# Allegro board SG2042_EVB_V2_0.brd (continued)
## Routing (per net, layer and track width the routed paths; a pad name or vN(x,y) marks a point on that pad's centre or on a via; arc(x,y) is an arc through that point) (continued)
J1104.B53 99.6,119.77 v1(99.8,119.98) ; C48.2 v1(50.16,207.09) ; U3273.W5 v1(193.88,106.83) ; U3235.Y23 v1(141.26,74.61) ; U1.J40 v1(128.75,241.05) ; U1.AD50 v1(138.75,225.05) ; C2.2 C3.2 ; C3.2 v1(183.34,155.83) ; C3.2 v1(184.56,155.83) ; U1.BM56 v1(144.75,197.05) ; U3235.B12 v1(156.46,83.41) U3235.B11 ; U3235.AF10 v1(136.47,85.01) ; U1.BG48 v1(136.75,202.05) ; U1.AR46 v1(134.75,214.05) ; U1.AA44 v1(132.75,229.05) ; U3273.P9 v1(190.68,102.83) ; U1.AB14 v1(101.75,228.05) ; U1.BM8 v1(95.75,197.05) ; U1.BD10 v1(97.75,205.05) ; U3235.M12 v1(148.46,83.41) ; U3235.E17 v1(153.26,79.41) ; U1.AT43 v1(131.75,213.05) ; U3244.2 v1(25.93,224.54) ; U1.BP3 v1(90.75,195.05) ; U1.AP54 v1(142.75,215.05) ; U1.J9 v1(96.75,241.05) ; U1.AV3 v1(90.75,211.05) ; C1535.2 v1(44.83,222.4) ; U3235.AB1 v1(139.66,92.21) ; U1.K55 v1(143.75,240.05) ; v1(48.6,83.82) J2046.A4 v1(48.6,86.54) ; U1.D12 v1(100.75,246.05) U1.C12 ; U3235.AB22 v1(140.46,74.61) ; U1.BL10 v1(97.75,198.05) ; U3235.K24 v1(150.06,73.81) ; U3235.K3 v1(150.06,89.81) ; U1.BB8 v1(95.75,207.05) ; U3235.AA24 v1(140.46,73.01) ; v1(74.8,83.82) 74.6,84.03 J2046.A28 74.6,86.1 v1(75.03,86.54) ; U1.AM45 v1(133.75,217.05) ; U1.AH45 v1(133.75,222.05) ; U1.AC9 v1(96.75,227.05) ; v1(62.6,117.26) J1104.B16 v1(62.6,119.98) ; C6251.2 v1(31.01,184.1) ; U3235.P24 v1(146.86,73.81) ; U1.L9 v1(96.75,239.05) ; U1.E35 v1(123.75,245.05) ; U3235.R11 v1(145.26,84.21) ; U1.M53 v1(141.75,238.05) ; U1.AD54 v1(142.75,225.05) ; v1(62.6,96.54) J2033.B16 v1(62.6,99.61) ; U3235.P3 v1(146.86,89.81) ; v1(64.6,79.34) J2046.B18 v1(64.6,76.62) ; U3235.Y4 141.66,89.41 v1(141.26,89.01) ; R130.1 v1(198.3,281.25) ; U1.BC52 v1(140.75,206.05) ; U1.AD1 v1(88.82,225.55) ; U3235.AD2 v1(138.06,91.41) ; U1.V49 v1(137.75,232.05) ; U1.W13 v1(100.75,231.05) ; v1(88.8,83.82) 88.6,84.03 J2046.A42 88.6,86.1 v1(89.03,86.54) ; U3235.T10 v1(144.46,85.01) ; U1.AH56 v1(144.75,221.05) ; U1.AR13 v1(100.75,214.05) ; U3235.AA7 v1(140.47,87.41) ; U1.Y43 v1(131.75,230.05) ; U1.BD47 v1(135.75,205.05) ; v1(101.8,124.46) 101.6,124.67 J1104.A55 101.6,126.74 v1(102.03,127.18) ; U1.BP10 v1(97.75,195.05) ; U1.AM48 v1(136.75,217.05) ; R128.1 v1(198.3,277.8) ; U1.BN49 v1(137.75,196.05) ; U1.BK46 v1(134.75,199.05) ; U1.AW48 v1(136.75,210.05) ; U1.BC15 v1(102.75,206.05) ; v1(64.6,55.9) J2034.B18 v1(64.6,58.97) ; U1.H7 v1(94.75,242.05) ; R30.1 v1(195.05,281.25) ; U1.AP43 v1(131.75,215.05) ; U3235.T17 v1(144.46,78.61) ; v1(85.4,119.98) 85.6,119.77 J1104.B39 85.6,117.47 v1(85.4,117.26) ; U1.D7 v1(95.75,246.05) ; C33.2 v1(174.14,203.43) ; U1.BD56 v1(144.75,205.05) ; U1.BA46 v1(134.75,208.05) ; v1(71.03,127.18) 70.6,126.74 J1104.A24 70.6,124.67 v1(70.8,124.46) ; U3235.E13 v1(153.26,82.61) ; U1.U51 v1(139.75,233.05) ; U3235.W1 v1(142.86,92.21) U3235.V1 ; C3266.2 v1(191.8,279.53) ; U3235.L3 v1(149.26,89.81) ; U1.BM6 v1(93.75,197.05) ; U1.BP46 v1(134.75,195.05) ; U3235.V3 v1(143.66,89.81) ; U3235.E26 v1(153.26,71.41) U3235.F26 ; v1(86.8,76.62) 86.6,76.83 J2046.B40 86.6,79.13 v1(86.8,79.34) ; U1.BA3 v1(90.75,208.05) ; v1(118.03,127.18) 117.6,126.74 J1104.A71 117.6,124.67 v1(117.8,124.46) ; U3273.B6 v1(193.08,92.45) ; U1.AF5 v1(92.75,223.05) ; v1(83.17,86.54) 83.6,86.1 J2046.A37 83.6,84.03 v1(83.4,83.82) ; v1(135.75,242.05) U1.H47 v1(134.75,242.05) ; U3235.L11 v1(149.26,84.21) ; U1.P45 v1(133.75,236.05) ; U1.AW46 v1(134.75,210.05) ; U3235.T15 v1(144.46,80.21) ; U1.P47 v1(135.75,236.05) ; U1.T48 v1(136.75,234.05) ; U1.AU15 v1(102.75,212.05) ; U1.BT1 v1(88.75,193.05) ; U1.AJ4 v1(91.75,220.05) ; U3273.K16 v1(184.29,98.85) ; U1.BP52 v1(140.75,195.05) ; U3273.AB11 v1(189.08,109.23) ; U1.T50 v1(138.75,234.05) ; U1.BD12 v1(99.75,205.05) ; v1(72.6,55.9) J2034.B26 v1(72.6,58.97) ; U3235.T4 v1(144.46,89.01) ; U3235.P15 v1(146.06,80.21) ; C5926.2 v1(27.99,220.12) ; U3235.D20 v1(154.06,76.21) ; v1(69.17,66.62) 69.6,66.18 J2034.A23 v1(69.6,63.55) ; U3273.H14 v1(185.89,97.25) ; U3235.P26 v1(146.86,71.41) U3235.N26 ; U1.V54 v1(141.75,231.05) U1.V53 ; U1.J48 v1(136.75,241.05) ; U1.W50 v1(138.75,231.05) ; 168.29,282.45 J2.4 169.51,282.42 ; U3235.AC8 v1(138.87,86.61) ; C1425.2 v1(194.21,221.54) ; v1(128.36,221.46) U1.AH41 U1.AG42 ; U1.AC44 v1(132.75,227.05) ; U3273.L12 v1(187.49,99.64) ; U1.BK4 v1(91.75,199.05) ; U1.T14 v1(101.75,234.05) ; v1(78.6,76.62) J2046.B32 v1(78.6,79.34) ; U3235.W3 v1(142.86,89.81) ; U1.AW4 v1(91.75,210.05) ; U1.P12 v1(99.75,236.05) ; U1.BB43 v1(131.75,207.05) ; U1.AC15 v1(102.75,227.05) ; v1(130.96,93.97) Y2001.4 v1(131.92,92.91) ; U3235.V24 v1(143.66,73.81) ; U1.AD45 v1(133.75,226.05) ; U1.C39 v1(127.75,247.05) ; C4.2 v1(183.34,152.93) ; J103.A1_B12 v1(8.3,162.48) ; U3273.L16 v1(184.29,99.64) ; v1(84.8,124.46) 84.6,124.67 J1104.A38 84.6,126.74 v1(85.03,127.18) ; U1.AC49 v1(137.75,226.05) ; U1.AP3 v1(90.75,215.05) ; U3235.F3 v1(153.26,89.81) ; U1.AE11 v1(98.75,225.05) ; U1.AF10 v1(97.75,224.05) ; J1.200 182.84,237.63 ; U3235.M2 v1(147.66,91.41) U3235.N2 ; U3235.AD9 v1(138.07,85.81) ; U3273.J16 v1(184.29,98.05) ; U1.AD9 v1(96.75,226.05) ; J2.17 168.03,270.78 ; U1.AC7 v1(94.75,226.05) ; U1.BP11 v1(98.75,195.05) ; U3235.A10 v1(157.61,84.61) ; U3235.G25 v1(151.66,72.21) U3235.H25 ; U3235.J4 v1(150.06,89.01) ; U1.BL52 v1(140.75,198.05) ; U1.A48 v1(136.25,248.98) ; U1.M4 v1(91.75,238.05) ; C3151.2 v1(40.49,226.31) ; U3273.A14 v1(185.89,91.64) ; U3273.N13 v1(186.69,102.03) ; U1.AN1 v1(88.75,216.05) ; U1.D55 v1(142.75,245.05) U1.E54 ; U1.AM10 v1(97.75,217.05) ; U1.BE15 v1(102.75,204.05) ; U1.AJ50 v1(138.75,220.05) ; U3273.B12 v1(188.28,92.45) ; U1.AA42 v1(129.25,229.55) ; U1.C54 v1(142.75,247.05) ; U1.F8 v1(95.75,244.05) ; U1.AU11 v1(98.75,212.05) ; U1.AK6 v1(93.75,219.05) ; U1.AF55 v1(143.75,223.05) ; C61.2 v1(59.39,158.8) ; U1.BN6 v1(93.75,196.05) ; U1.AP49 v1(137.75,215.05) ; v1(93.6,79.34) J2046.B47 v1(93.6,76.62) ; C80.2 v1(58.17,283.34) ; v1(92.75,248.05) U1.A4 v1(91.75,249.05) ; C32.2 v1(174.14,207.09) ; v1(74.6,66.62) J2034.A28 v1(74.6,63.55) ; U1.M10 v1(97.75,238.05) ; C31.2 v1(174.14,212.12) ; U1.F42 v1(130.75,243.05) ; v1(130.75,243.05) U1.G43 ; v1(130.75,243.05) U1.G42 ; Y1.4 v1(31.55,274.38) ; U1.AC48 v1(136.75,227.05) ; U1.BR9 v1(96.75,194.05) ; U1.AE9 v1(96.75,225.05) ; U1.BJ55 v1(143.75,200.05) ; U1.P54 v1(142.75,236.05) ; U1.M14 v1(101.75,238.05) ; U1.G11 v1(99.75,243.05) ; U3235.B2 v1(156.46,91.41) ; U3235.D22 v1(154.06,75.41) ; U1.AB12 v1(99.75,228.05) ; U1.B32 v1(120.75,248.05) ; U1.AL15 U1.AM14 v1(101.75,217.05) ; v1(58.6,124.46) J1104.A12 v1(58.6,127.18) ; U3235.AD17 v1(138.86,79.41) ; U1.E51 v1(139.75,245.05) ; U3273.J12 v1(187.49,98.85) U3273.K12 ; U1.W52 v1(140.75,231.05) ; U3235.C14 v1(154.86,81.01) ; U1.T54 v1(142.75,234.05) ; J1.202 182.84,235.93 ; U3235.G23 v1(151.66,74.61) ; U3235.N12 v1(147.66,83.41) ; U1.W42 v1(130.75,231.05) ; U1.AT14 v1(101.75,213.05) ; U1.J32 v1(120.75,241.05) ; U1.AE51 v1(139.75,224.05) ; U1.BA7 v1(94.75,208.05) ; U1.AU46 v1(134.75,212.05) ; U1.BR4 v1(91.75,194.05) ; U1.BL9 v1(96.75,198.05) ; v1(62.6,55.9) J2034.B16 v1(62.6,58.97) ; v1(92.8,83.82) 92.6,84.03 J2046.A46 92.6,86.1 v1(93.03,86.54) ; U3235.K15 v1(150.06,80.21) ; U1.AG6 v1(94.75,222.05) ; U3235.R12 v1(145.26,83.41) ; U1.B1 v1(88.82,247.55) ; v1(104.4,124.46) 104.6,124.67 J1104.A58 104.6,126.74 v1(104.17,127.18) ; v1(87.4,83.82) 87.6,84.03 J2046.A41 87.6,86.1 v1(87.17,86.54) ; U3235.E14 v1(153.26,81.81) ; C5931.2 v1(27.99,224.41) ; U1.AB47 v1(135.75,228.05) ; U1.AB10 v1(97.75,228.05) ; U1.BE51 v1(139.75,204.05) ; U1.AT50 v1(138.75,213.05) ; U1.AH9 v1(96.75,222.05) ; U3273.H16 v1(184.29,97.25) ; U1.U13 v1(100.75,233.05) ; U1.AV50 v1(138.75,211.05) ; U3273.V5 v1(193.88,106.03) ; U1.V43 v1(131.75,232.05) ; U3235.N16 v1(147.66,79.41) ; v1(80.6,124.46) J1104.A34 80.6,126.74 v1(81.03,127.18) ; U3273.P13 v1(186.69,102.83) ; U1.AV49 v1(137.75,211.05) ; U1.AU4 v1(91.75,212.05) ; U3235.P11 v1(146.06,84.21) ; R29.1 v1(195.05,277.8) ; v1(93.75,229.05) U1.Y6 v1(93.75,230.05) ; U3273.U5 v1(193.88,105.23) ; C587.1 v1(116.13,171.63) ; U3235.E24 v1(154.06,73.81) ; U1.AF45 v1(133.75,224.05) ; U1.AW11 v1(98.75,210.05) ; U3235.M16 v1(148.46,79.41) ; U1.BF8 v1(95.75,203.05) ; U3235.K9 v1(150.06,85.81) ; U1.AM47 v1(135.75,217.05) ; U1.BK7 v1(94.75,199.05) ; v1(193.34,292.71) R2539.1 C3386.1 C3385.1 v1(195.68,293.32) ; C47.2 v1(50.16,203.43) ; U1.C49 v1(137.75,247.05) U1.C50 ; U1.AN52 v1(140.75,216.05) ; U1.AD52 v1(140.75,225.05) ; U1.BR48 v1(136.75,194.05) ; U1.AT3 v1(90.75,213.05) ; C10.2 v1(183.34,224.84) ; U1.AN15 v1(102.75,216.05) ; U1.AA13 v1(100.75,229.05) ; U1.K10 v1(97.75,240.05) ; U3273.W11 v1(189.08,106.83) ; U3235.AA26 v1(140.46,71.41) ; U3243.2 v1(25.93,220.24) ; C49.2 v1(50.16,210.69) ; U3235.K14 v1(150.06,81.01) ; v1(121.8,124.46) 121.6,124.67 J1104.A75 121.6,126.74 v1(122.03,127.18) ; v1(70.6,104.19) J2033.A24 70.6,106.82 v1(71.03,107.26) ; U1.C13 v1(100.75,247.05) ; U1.M12 v1(99.75,238.05) ; U1.AG56 v1(144.75,222.05) ; C68.2 v1(58.17,207.09) ; U1.U46 v1(134.75,233.05) ; v1(78.6,99.61) J2033.B32 v1(78.6,96.54) ; U1.N44 v1(132.75,237.05) ; U1.H42 v1(130.75,241.05) U1.J42 ; U1.D50 v1(137.75,246.05) ; U1.BG1 v1(88.75,202.05) ; U3235.AA5 v1(140.46,89.01) ; U3273.N16 v1(184.29,101.23) ; X9.2 v1(194.45,116.59) ; U1.E29 v1(117.75,245.05) ; U3235.D16 v1(154.06,80.21) ; C28.2 v1(175.31,233.38) ; U1.AJ7 v1(94.75,220.05) ; U3273.R22 v1(179.49,103.63) ; v1(51.6,35.58) J2036.B7 v1(51.6,38.65) ; U1.F5 v1(92.75,244.05) U1.F4 ; U3235.AC25 v1(139.66,72.21) ; U1.AD56 v1(144.68,225.55) ; v1(81.4,117.26) 81.6,117.47 J1104.B35 81.6,119.77 v1(81.4,119.98) ; v1(135.75,246.05) U1.C47 v1(135.75,247.05) ; v1(77.6,104.19) J2033.A31 77.6,106.82 v1(77.17,107.26) ; v1(74.8,124.46) 74.6,124.67 J1104.A28 74.6,126.74 v1(75.03,127.18) ; U3235.L13 v1(149.26,82.61) ; U1.AM8 v1(95.75,217.05) ; U1.AG13 v1(100.75,223.05) ; U3235.N11 v1(147.66,84.21) ; U3235.AB10 v1(139.67,85.01) ; U1.AH50 v1(138.75,221.05) ; U1.AY5 v1(92.75,209.05) ; U1.AN11 v1(98.75,216.05) ; C3155.2 v1(41.15,220.78) ; U1.BF12 v1(99.75,203.05) ; U1.J43 v1(131.75,241.05) ; U1.Y10 v1(97.75,230.05) ; v1(75.6,99.61) J2033.B29 v1(75.6,96.54) ; U1.BA50 v1(138.75,208.05) ; U1.T9 v1(96.75,234.05) ; U1.M43 v1(131.75,238.05) ; U1.BD49 v1(137.75,205.05) ; v1(91.4,124.46) 91.6,124.67 J1104.A45 91.6,126.74 v1(91.17,127.18) ; C40.2 v1(175.31,283.34) ; U1.BG9 v1(96.75,202.05) ; U1.F49 v1(137.75,244.05) ; U3235.A4 v1(157.26,89.01) ; v1(72.8,79.34) 72.6,79.13 J2046.B26 72.6,76.83 v1(72.8,76.62) ; U3235.AD5 v1(138.06,89.01) ; v1(59.8,119.98) 59.6,119.77 J1104.B13 59.6,117.47 v1(59.8,117.26) ; U1.J24 v1(111.75,241.05) ; U1.C42 v1(130.75,247.05) U1.B42 ; U1.AH12 v1(99.75,222.05) ; U1.AP10 v1(97.75,215.05) ; U1.U2 v1(89.75,233.05) ; U1.AD7 v1(94.75,225.05) ; U3257.2 v1(25.93,206.63) ; U3235.A14 v1(157.26,81.81) U3235.A13 ; U1.C27 v1(114.75,247.05) ; U1.BL11 v1(98.75,198.05) ; v1(110.03,127.18) 109.6,126.74 J1104.A63 109.6,124.67 v1(109.8,124.46) ; U3235.N14 v1(147.66,81.01) ; U3235.C10 v1(154.86,84.21) ; U1.BK10 v1(97.75,199.05) ; J4.257 64.03,184.63 ; U1.BL56 v1(144.75,198.05) ; v1(100.4,124.46) 100.6,124.67 J1104.A54 100.6,126.74 v1(100.17,127.18) ; U1.Y1 v1(88.82,229.55) ; U1.BB45 v1(133.75,207.05) ; U1.AG1 v1(88.75,222.05) ; U1.J50 v1(138.75,241.05) ; U1.BJ46 v1(134.75,200.05) ; v1(66.6,104.19) J2033.A20 66.6,106.82 v1(67.03,107.26) ; v1(95.8,117.26) 95.6,117.47 J1104.B49 95.6,119.77 v1(95.8,119.98) ; U1.BL50 v1(138.75,198.05) ; U1.AE1 v1(88.82,224.55) ; R169.1 v1(191.8,277.8) ; v1(68.6,58.97) J2034.B22 v1(68.6,55.9) ; v1(75.6,55.9) J2034.B29 v1(75.6,58.97) ; U3235.G1 v1(152.46,92.21) U3235.F1 ; U1.BF45 v1(133.75,203.05) ; U1.AB55 v1(142.75,228.05) ; U1.M45 v1(133.75,238.05) ; U1.BD1 v1(88.75,205.05) ; U1.AV47 v1(135.75,211.05) ; U1.U44 v1(132.75,233.05) ; U3235.H2 v1(150.86,91.41) U3235.J2 ; U3273.L11 v1(188.29,99.64) ; U1.E17 v1(104.75,245.05) ; U1.T43 v1(131.75,234.05) ; C37.2 v1(175.51,216.64) ; U1.AC4 v1(91.75,226.05) ; U3235.A26 v1(157.26,71.41) ; U1.BB14 v1(101.75,207.05) ; U1.K14 v1(101.75,240.05) ; U3273.R12 v1(187.49,103.63) ; U3235.AC15 v1(139.66,80.21) ; U3273.P19 v1(181.89,102.83) ; U3235.AC4 v1(138.86,89.81) ; U1.AD10 v1(97.75,226.05) ; U3235.L12 v1(149.26,83.41) ; U1.BJ10 v1(97.75,200.05) ; C71.2 v1(59.39,228.3) ; C6101.2 v1(227.97,143.97) ; U1.P43 v1(131.75,236.05) ; U3273.AA17 v1(183.49,108.43) ; U1.T12 v1(99.75,234.05) ; C41.2 v1(49.99,158.8) ; U1.BF47 v1(135.75,203.05) ; U1.AD48 v1(136.75,226.05) ; U1.BP7 v1(94.75,195.05) ; U3235.AE24 v1(138.06,73.81) ; U1.AR48 v1(136.75,214.05) ; U1.AL44 v1(132.75,218.05) ; v1(82.8,79.34) 82.6,79.13 J2046.B36 82.6,76.83 v1(82.8,76.62) ; U1.AF54 v1(142.75,223.05) ; v1(68.8,99.61) 68.6,99.4 J2033.B22 68.6,96.75 v1(68.8,96.54) ; U1.BJ11 v1(98.75,200.05) ; U1.K49 v1(137.75,240.05) ; U1.AF51 v1(139.75,223.05) ; U1.AY52 v1(140.75,209.05) ; C64.2 v1(59.39,152.93) ; U1.AF4 v1(91.75,223.05) ; U3235.T13 v1(144.46,82.61) ; C1537.2 v1(44.83,220.68) ; C51.2 v1(50.16,227.48) ; U1.AK51 v1(139.75,219.05) ; v1(66.6,83.82) J2046.A20 66.6,86.1 v1(67.03,86.54) ; U1.AJ54 v1(142.75,220.05) ; U3235.R3 v1(146.06,89.81) ; U1.AG4 v1(91.75,222.05) ; U1.T7 v1(94.75,234.05) ; U1.AE56 v1(144.68,224.55) ; U1.J28 v1(115.75,241.05) ; U1.N46 v1(134.75,237.05) ; U1.B11 v1(98.75,247.05) ; U3235.N10 v1(147.66,85.01) ; U1.AJ53 v1(141.75,220.05) ; U3235.A20 v1(157.26,76.21) ; U1.E11 v1(99.75,245.05) ; U3235.R23 v1(145.26,74.61) ; U1.BH11 v1(98.75,201.05) ; U1.AV54 v1(142.75,211.05) ; U1.BM48 v1(136.75,197.05) ; U1.W9 v1(96.75,231.05) ; U3235.D12 v1(154.06,83.41) ; U1.L11 v1(98.75,239.05) ; U1.AP4 v1(91.75,215.05) ; U1.BH50 v1(138.75,201.05) ; U1.AD14 v1(101.75,226.05) ; U3235.AE2 v1(137.26,91.41) ; Q2036.2 v1(41.93,141) ; U1.AL50 v1(138.75,218.05) ; U3235.M11 v1(148.46,84.21) ; U1.BB56 v1(144.75,207.05) ; U1.AC8 v1(95.75,226.05) ; U3273.T14 v1(185.89,104.43) ; U3235.D11 v1(154.06,84.21) ; U3235.B21 v1(156.46,75.41) ; U3273.B2 v1(196.28,92.45) ; U1.E46 v1(133.75,245.05) ; C11.2 v1(183.34,210.69) ; C17.2 v1(183.36,216.64) ; C21.2 v1(175.31,158.8) ; U1.AM53 v1(141.75,217.05) ; U1.G22 v1(109.75,243.05) ; U1.AG51 v1(138.75,222.05) ; U1.G46 v1(133.75,243.05) ; U1.AC42 v1(130.75,227.05) ; U3273.N8 v1(191.48,102.03) ; U1.G7 v1(94.75,243.05) ; v1(97.75,244.05) U1.F10 v1(98.75,244.05) ; C3154.2 v1(190.53,220.78) ; U1.G40 v1(128.75,243.05) ; U1.BK49 v1(137.75,199.05) ; U1.R42 v1(130.75,235.05) ; U1.AU56 v1(144.75,212.05) ; U1.BG46 v1(134.75,202.05) ; U1.BJ47 v1(135.75,200.05) ; U1.C53 v1(141.75,247.05) ; U3235.R13 v1(145.26,82.61) ; U1.AN13 v1(100.75,216.05) ; v1(62.6,76.62) J2046.B16 v1(62.6,79.34) ; U1.AW13 v1(100.75,210.05) ; U1.AL13 v1(100.75,218.05) ; U3256.2 v1(25.93,202.34) ; U1.AC3 v1(90.75,226.05) ; U3235.A18 v1(157.26,78.61) U3235.A17 ; U3273.A22 v1(179.49,91.64) ; U3273.H15 v1(185.09,97.25) ; U1.W54 v1(142.75,231.05) ; U1.AP14 v1(101.75,215.05) ; U3235.L14 v1(149.26,81.01) ; U1.H50 v1(138.75,242.05) ; U1.C30 v1(118.75,247.05) ; U3235.P13 v1(146.06,82.61) ; U1.AY12 v1(99.75,209.05) ; U3235.N17 v1(147.66,78.61) ; U3235.AE19 v1(137.26,77.01) U3235.AE20 ; U1.BP47 v1(135.75,195.05) ; U1.AB45 v1(133.75,228.05) ; U1.A1 v1(88.82,248.55) ; U1.AW9 v1(96.75,210.05) ; J2.57 168.09,236.77 ; U1.AH1 v1(88.75,221.05) ; U1.W3 v1(90.75,231.05) ; U1.BG45 v1(133.75,202.05) ; U3273.B4 v1(194.68,92.45) ; U1.R44 v1(132.75,235.05) ; U1.AR2 v1(89.75,214.05) ; v1(58.6,86.54) J2046.A12 v1(58.6,83.82) ; U3235.F24 v1(153.26,73.81) ; U1.BM10 v1(97.75,197.05) ; U1.AE8 v1(95.75,224.05) ; U1.AB48 v1(136.75,228.05) ; U3235.T9 v1(144.46,85.81) ; U3235.AA4 v1(140.46,89.81) ; R170.1 v1(191.8,281.25) ; v1(62.03,86.54) 61.6,86.1 J2046.A15 v1(61.6,83.82) ; U1.R13 v1(100.75,235.05) ; U1.AR6 v1(93.75,214.05) ; U1.AG44 v1(132.75,223.05) ; U3273.W6 v1(193.08,106.83) ; U1.BN51 v1(139.75,196.05) ; U1.B51 v1(139.75,247.05) ; U1.AK10 v1(97.75,219.05) ; U1.BR11 v1(98.75,194.05) ; U3235.L1 v1(149.26,92.21) U3235.K1 ; U1.AN46 v1(134.75,216.05) ; U1.BA42 v1(130.75,208.05) ; U1.W7 v1(94.75,231.05) ; U1.BJ2 v1(89.75,200.05) ; U3235.V26 v1(143.66,71.41) U3235.U26 ; U1.AR55 v1(143.75,214.05) ; R171.1 v1(198.3,279.53) ; U1.AH14 v1(101.75,222.05) ; U3235.D23 v1(154.06,74.61) ; U1.AR11 v1(98.75,214.05) ; U1.AV10 v1(97.75,211.05) ; Y2001.2 v1(133.62,97.23) ; J1.198 182.84,239.33 ; U1.BG4 v1(91.75,202.05) ; U1.N11 v1(98.75,237.05) ; v1(112.87,260.48) X1.2 v1(111.89,261.54) ; U3235.AF18 v1(136.46,78.61) U3235.AF17 ; U3235.AC6 v1(138.86,88.21) ; U1.G37 v1(125.75,243.05) ; v1(48.6,79.34) J2046.B4 v1(48.6,76.62) ; U1.BM49 v1(137.75,197.05) ; U1.F1 v1(88.82,243.55) ; U1.H12 v1(100.75,242.05) ; C3152.2 v1(189.87,226.31) ; R168.1 v1(188.54,281.25) ; U1.A43 v1(131.25,248.98) ; J4.250 65.44,190.03 ; C29.2 v1(175.31,228.3) ; U1.AN54 v1(142.75,216.05) ; U1.AE44 v1(132.75,225.05) ; U1.U55 v1(143.75,233.05) ; U3235.AE1 v1(137.26,92.21) ; U3235.H4 v1(150.86,89.01) ; U1.N15 v1(102.75,237.05) ; U3273.K11 v1(188.29,98.85) ; U1.AF52 v1(140.75,223.05) ; U1.AW42 v1(130.75,210.05) ; U1.W46 v1(134.75,231.05) ; U3273.R21 v1(180.29,103.63) ; U1.V7 v1(94.75,232.05) ; U1.AA9 v1(96.75,229.05) ; U3273.A18 v1(183.49,91.64) ; U1.AU52 v1(140.75,212.05) ; U1.L42 v1(130.75,239.05) ; U3235.B25 v1(156.46,72.21) ; U1.AA11 v1(98.75,229.05) ; U1.R8 v1(95.75,235.05) ; U1.AM9 v1(96.75,217.05) ; U1.BC11 v1(98.75,206.05) ; U1.BB47 v1(135.75,207.05) ; U3273.W12 v1(188.28,106.83) ; U1.BM53 v1(141.75,197.05) ; U3235.L23 v1(148.46,74.61) ; C50.2 v1(50.16,224.84) ; U1.W48 v1(136.75,231.05) ; v1(105.8,124.46) 105.6,124.67 J1104.A59 105.6,126.74 v1(106.03,127.18) ; U3273.M11 v1(189.08,101.23) ; U3235.A24 v1(157.26,73.01) ; U1.L48 v1(136.75,239.05) ; U1.AD47 v1(135.75,226.05) ; U1.AV7 v1(94.75,211.05) ; U1.F44 v1(131.75,244.05) ; U1.U42 v1(130.75,233.05) ; U1.AN9 v1(96.75,216.05) ; U3235.R17 v1(145.26,78.61) ; U3235.L15 v1(149.26,80.21) ; U1.AU53 v1(141.75,212.05) ; U1.BP5 v1(92.75,195.05) ; U3235.K12 v1(150.06,83.41) ; U3235.K13 v1(150.06,82.61) ; U1.AL7 v1(94.75,218.05) ; U1.AH7 v1(94.75,221.05) ; U3273.L8 v1(191.48,99.64) ; U1.AV14 v1(101.75,211.05) ; U1.C18 v1(105.75,247.05) ; U3273.AC6 v1(193.08,110.03) ; U1.AF6 v1(93.75,223.05) ; v1(136.75,243.05) U1.G48 v1(135.75,243.05) ; U1.AD12 v1(99.75,226.05) ; U1.R5 v1(92.75,235.05) ; U1.L15 v1(102.75,239.05) ; U1.AE46 v1(134.75,225.05) ; U1.AB9 v1(96.75,228.05) ; U1.AL48 v1(136.75,218.05) ; U1.AC13 v1(100.75,227.05) ; U3273.N9 v1(190.68,102.03) ; U1.C21 v1(108.75,247.05) ; U1.BL48 v1(136.75,198.05) ; X8.2 v1(199.15,85.65) ; U1.AF53 v1(141.75,223.05) ; U1.R56 v1(144.75,235.05) ; U1.AT7 v1(94.75,213.05) ; C16.2 v1(183.36,220.93) ; U1.AW54 v1(142.75,210.05) ; U1.BM46 v1(134.75,197.05) ; U3235.B3 v1(156.46,90.61) ; U3273.R13 v1(186.69,103.63) ; C70.2 v1(59.39,224.84) ; U1.R46 v1(134.75,235.05) ; U1.BL54 v1(142.75,198.05) ; U3235.D15 v1(154.06,81.01) ; U1.B6 v1(93.75,247.05) ; U1.BM1 v1(88.75,197.05) ; U1.G45 v1(132.75,243.05) ; U3273.J13 v1(186.69,98.05) ; U1.AR42 v1(130.75,214.05) ; C24.2 v1(175.31,152.93) ; U3235.AC19 v1(139.66,77.01) ; U1.BG50 v1(138.75,202.05) ; R129.1 v1(195.05,279.53) ; U1.J36 v1(124.75,241.05) ; U1.T3 v1(90.75,234.05) ; U1.AA54 v1(142.75,229.05) ; U3273.C13 v1(186.69,93.25) ; U3261.2 v1(228.09,146.02) ; U1.BE6 v1(93.75,204.05) ; U3235.L16 v1(149.26,79.41) ; U1.BE9 v1(96.75,204.05) ; U3273.R16 v1(184.29,103.63) ; U3235.L17 v1(149.26,78.61) ; U1.F56 v1(144.68,243.55) ; J2.6 169.46,279.58 ; U1.BP50 v1(138.75,195.05) ; U1.G34 v1(122.75,243.05) ; U1.M7 v1(94.75,238.05) ; U3235.AC20 v1(139.66,76.21) ; U3235.U4 v1(143.66,89.01) ; U3273.K13 v1(186.69,98.85) ; U1.BK47 v1(135.75,199.05) ; U3273.A6 v1(193.08,91.64) ; U1.P8 v1(95.75,236.05) ; U1.M47 v1(135.75,238.05) ; U1.V45 v1(133.75,232.05) ; U1.AW3 v1(90.75,210.05) ; U3235.K10 v1(150.06,85.01) ; U1.BB48 v1(136.75,207.05) ; U1.BN8 v1(95.75,196.05) ; U1.BE46 v1(134.75,204.05) ; U1.BC5 v1(92.75,206.05) ; U1.AV8 v1(95.75,211.05) ; U3235.P12 v1(146.06,83.41) ; U3235.AE23 v1(137.26,73.81) ; U3235.M15 v1(148.46,80.21) ; C6123.1 v1(37.97,204.01) ; U1.BN56 v1(144.75,196.05) ; U1.BP55 v1(143.75,195.05) ; v1(51.6,76.62) J2046.B7 v1(51.6,79.34) ; U1.BL5 v1(92.75,198.05) ; J103.B1_A12 v1(8.3,156.08) ; U1.AK47 v1(135.75,219.05) ; U3235.T14 v1(144.46,81.01) ; C9.2 v1(183.34,228.3) ; U1.G19 v1(106.75,243.05) ; U1.BD45 v1(133.75,205.05) ; U1.BE44 v1(132.75,204.05) ; U1.AG48 v1(136.75,223.05) ; U1.AE49 v1(137.75,224.05) ; U1.H45 v1(132.75,242.05) ; U1.W11 v1(98.75,231.05) ; U1.F13 v1(101.75,244.05) ; U3273.T5 v1(193.88,104.43) ; J2.239 171.84,199.38 ; U1.E26 v1(113.75,245.05) ; U3235.K16 v1(150.06,79.41) ; U1.P51 v1(139.75,236.05) ; U1.W1 v1(88.82,230.55) ; U1.AV12 v1(99.75,211.05) ; U1.BE54 v1(142.75,204.05) ; U3273.AB17 v1(183.49,109.23) ; U3235.G3 v1(152.46,89.81) ; U3235.T12 v1(144.46,83.41) ; U3235.R16 v1(145.26,79.41)
  TOP w0.457: 69.4,282.74 75.58,282.74 103.67,254.65 103.67,249.4 ; v1(166.12,284.63) 159.81,284.63 129.83,254.65 129.83,249.4
  TOP w0.508: C272.1 GND0V8.1
  GND02 w0.254: 50.73,172.18 J3.127 ; J3.127 51.39,171.51 ; J3.127 51.39,172.84 ; J3.127 52.05,172.18 ; J2.55 167.97,238.48 ; J2.55 167.31,237.81 ; J2.55 166.65,238.48 ; J2.55 167.31,239.14 ; 62.39,180.86 J4.116 ; J4.116 63.05,181.53 ; J4.116 62.39,182.19 ; J4.116 61.73,181.53 ; J3.180 57.45,254.63 ; J3.180 56.79,255.29 ; J3.180 56.79,253.96 ; J3.180 56.13,254.63 ; 62.39,163.86 J4.136 ; J4.136 63.05,164.53 ; J4.136 61.73,164.53 ; J4.136 62.39,165.19 ; 60.13,189.18 J4.107 ; J4.107 60.79,188.51 ; J4.107 61.45,189.18 ; J4.107 60.79,189.84 ; J2.160 173.37,271.63 ; J2.160 172.05,271.63 ; J2.160 172.71,272.29 ; J2.160 172.71,270.96 ; J1.107 176.71,189.84 ; J1.107 176.71,188.51 ; J1.107 176.05,189.18 ; J1.107 177.37,189.18 ; J4.178 66.19,256.99 ; J4.178 65.53,256.33 ; J4.178 66.19,255.66 ; J4.178 66.85,256.33 ; 179.85,263.98 J1.169 ; J1.169 180.51,263.31 ; J1.169 181.17,263.98 ; J1.169 180.51,264.64 ; 177.65,268.23 J1.20 ; J1.20 178.31,268.89 ; J1.20 178.31,267.56 ; J1.20 178.97,268.23 ; 56.13,173.03 J3.270 ; J3.270 56.79,173.69 ; J3.270 57.45,173.03 ; J3.270 56.79,172.36 ; 52.33,200.23 J3.94 ; J3.94 52.99,200.89 ; J3.94 53.65,200.23 ; J3.94 52.99,199.56 ; 63.93,243.58 J4.193 ; J4.193 65.25,243.58 ; J4.193 64.59,242.91 ; J4.193 64.59,244.24 ; J3.138 53.65,162.83 ; J3.138 52.99,162.16 ; J3.138 52.99,163.49 ; J3.138 52.33,162.83 ; J4.167 65.25,265.68 ; J4.167 63.93,265.68 ; J4.167 64.59,265.01 ; J4.167 64.59,266.34 ; J4.28 62.39,262.09 ; J4.28 61.73,261.43 ; J4.28 63.05,261.43 ; J4.28 62.39,260.76 ; J3.158 57.45,273.33 ; J3.158 56.79,272.66 ; J3.158 56.79,273.99 ; J3.158 56.13,273.33 ; 65.53,239.33 J4.198 ; J4.198 66.19,239.99 ; J4.198 66.85,239.33 ; J4.198 66.19,238.66 ; J4.252 66.85,188.32 ; J4.252 66.19,187.66 ; J4.252 65.53,188.32 ; J4.252 66.19,188.99 ; 64.59,278.61 J4.151 ; J4.151 64.59,279.94 ; J4.151 63.93,279.28 ; J4.151 65.25,279.28 ; 167.31,191.91 J2.103 ; J2.103 166.65,192.58 ; J2.103 167.31,193.24 ; J2.103 167.97,192.58 ; J4.31 60.79,259.54 ; J4.31 60.79,258.21 ; J4.31 60.13,258.88 ; J4.31 61.45,258.88 ; J4.46 63.05,246.12 ; J4.46 62.39,246.79 ; J4.46 62.39,245.46 ; J4.46 61.73,246.12 ; 54.53,265.68 J3.167 ; J3.167 55.85,265.68 ; J3.167 55.19,266.34 ; J3.167 55.19,265.01 ; J3.160 56.79,272.29 ; J3.160 56.79,270.96 ; J3.160 57.45,271.63 ; J3.160 56.13,271.63 ; J1.131 176.71,169.44 ; J1.131 177.37,168.78 ; J1.131 176.71,168.11 ; J1.131 176.05,168.78 ; J2.123 167.31,176.24 ; J2.123 167.97,175.58 ; J2.123 167.31,174.91 ; J2.123 166.65,175.58 ; J4.169 64.59,264.64 ; J4.169 65.25,263.98 ; J4.169 64.59,263.31 ; J4.169 63.93,263.98 ; J1.261 181.17,180.68 ; J1.261 180.51,181.34 ; J1.261 179.85,180.68 ; J1.261 180.51,180.01 ; J1.6 178.31,280.79 ; J1.6 178.97,280.13 ; J1.6 177.65,280.13 ; J1.6 178.31,279.46 ; J1.15 177.37,272.48 ; J1.15 176.05,272.48 ; J1.15 176.71,271.81 ; J1.15 176.71,273.14 ; 50.73,255.47 J3.35 ; J3.35 52.05,255.47 ; J3.35 51.39,254.81 ; J3.35 51.39,256.14 ; J4.48 62.39,245.09 ; J4.48 62.39,243.76 ; J4.48 63.05,244.43 ; J4.48 61.73,244.43 ; 177.65,266.52 J1.22 ; J1.22 178.31,265.86 ; J1.22 178.31,267.19 ; J1.22 178.97,266.52 ; J4.9 60.79,278.24 ; J4.9 61.45,277.58 ; J4.9 60.79,276.91 ; J4.9 60.13,277.58 ; J1.263 180.51,179.64 ; J1.263 181.17,178.98 ; J1.263 180.51,178.31 ; J1.263 179.85,178.98 ; J3.96 53.65,198.53 ; J3.96 52.33,198.53 ; J3.96 52.99,199.19 ; J3.96 52.99,197.86 ; J4.279 64.59,166.04 ; J4.279 65.25,165.38 ; J4.279 64.59,164.71 ; J4.279 63.93,165.38 ; 182.11,187.66 J1.252 ; J1.252 182.11,188.99 ; J1.252 182.77,188.32 ; J1.252 181.45,188.32 ; J4.105 61.45,190.88 ; J4.105 60.79,191.54 ; J4.105 60.13,190.88 ; J4.105 60.79,190.21 ; 56.13,191.73 J3.248 ; J3.248 56.79,191.06 ; J3.248 57.45,191.73 ; J3.248 56.79,192.39 ; J2.250 173.37,190.03 ; J2.250 172.71,189.36 ; J2.250 172.71,190.69 ; J2.250 172.05,190.03 ; 62.39,197.86 J4.96 ; J4.96 61.73,198.53 ; J4.96 63.05,198.53 ; J4.96 62.39,199.19 ; J3.39 52.05,252.08 ; J3.39 51.39,252.74 ; J3.39 51.39,251.41 ; J3.39 50.73,252.08 ; J1.26 178.31,263.79 ; J1.26 178.31,262.46 ; J1.26 178.97,263.13 ; J1.26 177.65,263.13 ; J1.33 176.71,257.84 ; J1.33 177.37,257.18 ; J1.33 176.71,256.51 ; J1.33 176.05,257.18 ; 172.05,186.63 J2.254 ; J2.254 172.71,185.96 ; J2.254 172.71,187.29 ; J2.254 173.37,186.63 ; J3.26 52.99,263.79 ; J3.26 53.65,263.13 ; J3.26 52.33,263.13 ; J3.26 52.99,262.46 ; 182.11,274.36 J1.156 ; J1.156 181.45,275.03 ; J1.156 182.77,275.03 ; J1.156 182.11,275.69 ; 61.73,242.73 J4.50 ; J4.50 63.05,242.73 ; J4.50 62.39,243.39 ; J4.50 62.39,242.06 ; 61.73,268.23 J4.20 ; J4.20 62.39,267.56 ; J4.20 62.39,268.89 ; J4.20 63.05,268.23 ; 178.31,163.86 J1.136 ; J1.136 178.31,165.19 ; J1.136 178.97,164.53 ; J1.136 177.65,164.53 ; 63.93,262.28 J4.171 ; J4.171 65.25,262.28 ; J4.171 64.59,261.61 ; J4.171 64.59,262.94 ; 60.13,238.48 J4.55 ; J4.55 61.45,238.48 ; J4.55 60.79,239.14 ; J4.55 60.79,237.81 ; J3.171 55.85,262.28 ; J3.171 55.19,262.94 ; J3.171 54.53,262.28 ; J3.171 55.19,261.61 ; 178.31,180.86 J1.116 ; J1.116 178.97,181.53 ; J1.116 178.31,182.19 ; J1.116 177.65,181.53 ; 52.99,242.06 J3.50 ; J3.50 53.65,242.73 ; J3.50 52.99,243.39 ; J3.50 52.33,242.73 ; J1.118 178.97,179.83 ; J1.118 178.31,180.49 ; J1.118 178.31,179.16 ; J1.118 177.65,179.83 ; J1.189 181.17,246.98 ; J1.189 179.85,246.98 ; J1.189 180.51,246.31 ; J1.189 180.51,247.64 ; 55.19,278.61 J3.151 ; J3.151 54.53,279.28 ; J3.151 55.19,279.94 ; J3.151 55.85,279.28 ; 167.31,270.11 J2.17 ; J2.17 167.97,270.78 ; J2.17 166.65,270.78 ; J2.17 167.31,271.44 ; 60.13,252.08 J4.39 ; J4.39 60.79,251.41 ; J4.39 60.79,252.74 ; J4.39 61.45,252.08 ; J1.98 178.97,196.83 ; J1.98 178.31,197.49 ; J1.98 178.31,196.16 ; J1.98 177.65,196.83 ; J3.28 53.65,261.43 ; J3.28 52.99,260.76 ; J3.28 52.99,262.09 ; J3.28 52.33,261.43 ; 181.45,193.43 J1.246 ; J1.246 182.77,193.43 ; J1.246 182.11,194.09 ; J1.246 182.11,192.76 ; 55.19,163.01 J3.281 ; J3.281 55.85,163.68 ; J3.281 55.19,164.34 ; J3.281 54.53,163.68 ; 52.33,264.83 J3.24 ; J3.24 52.99,265.49 ; J3.24 52.99,264.16 ; J3.24 53.65,264.83 ; 176.05,236.77 J1.57 ; J1.57 176.71,237.44 ; J1.57 177.37,236.77 ; 56.79,250.56 J3.184 ; J3.184 56.13,251.23 ; J3.184 56.79,251.89 ; J3.184 57.45,251.23 ; J2.44 168.91,248.49 ; J2.44 168.91,247.16 ; J2.44 169.57,247.83 ; J2.44 168.25,247.83 ; J2.263 171.77,178.98 ; J2.263 171.11,179.64 ; J2.263 170.45,178.98 ; J2.263 171.11,178.31 ; 62.39,165.56 J4.134 ; J4.134 62.39,166.89 ; J4.134 63.05,166.23 ; J4.134 61.73,166.23 ; J1.283 181.17,161.98 ; J1.283 180.51,161.31 ; J1.283 179.85,161.98 ; J1.283 180.51,162.64 ; J2.195 171.77,241.88 ; J2.195 171.11,241.21 ; J2.195 170.45,241.88 ; J2.195 171.11,242.54 ; J4.246 66.19,194.09 ; J4.246 66.19,192.76 ; J4.246 65.53,193.43 ; J4.246 66.85,193.43 ; J4.158 66.85,273.33 ; J4.158 66.19,273.99 ; J4.158 66.19,272.66 ; J4.158 65.53,273.33 ; J4.265 65.25,177.27 ; J4.265 63.93,177.27 ; J4.265 64.59,177.94 ; J4.265 64.59,176.61 ; 178.31,177.46 J1.120 ; J1.120 177.65,178.13 ; J1.120 178.31,178.79 ; J1.120 178.97,178.13 ; J1.105 176.71,191.54 ; J1.105 176.71,190.21 ; J1.105 177.37,190.88 ; J1.105 176.05,190.88 ; 178.31,243.76 J1.48 ; J1.48 178.97,244.43 ; J1.48 177.65,244.43 ; J1.48 178.31,245.09 ; 50.73,258.88 J3.31 ; J3.31 52.05,258.88 ; J3.31 51.39,258.21 ; J3.31 51.39,259.54 ; J1.147 180.51,283.34 ; J1.147 179.85,282.68 ; J1.147 180.51,282.01 ; J1.147 181.17,282.68 ; J2.22 168.91,267.19 ; J2.22 169.57,266.52 ; J2.22 168.91,265.86 ; J2.22 168.25,266.52 ; J2.272 173.37,171.33 ; J2.272 172.05,171.33 ; J2.272 172.71,171.99 ; J2.272 172.71,170.66 ; J3.176 57.45,258.03 ; J3.176 56.79,258.69 ; J3.176 56.79,257.36 ; J3.176 56.13,258.03 ; 61.73,263.13 J4.26 ; J4.26 62.39,263.79 ; J4.26 62.39,262.46 ; J4.26 63.05,263.13 ; J4.118 62.39,180.49 ; J4.118 61.73,179.83 ; J4.118 63.05,179.83 ; J4.118 62.39,179.16 ; 170.45,184.08 J2.257 ; J2.257 171.11,183.41 ; J2.257 171.11,184.74 ; J2.257 171.77,184.08 ; 60.13,274.18 J4.13 ; J4.13 61.45,274.18 ; J4.13 60.79,274.84 ; J4.13 60.79,273.51 ; J1.276 182.77,167.92 ; J1.276 182.11,168.59 ; J1.276 181.45,167.92 ; J1.276 182.11,167.26 ; J2.127 167.97,172.18 ; J2.127 166.65,172.18 ; J2.127 167.31,172.84 ; J2.127 167.31,171.51 ; J1.134 178.31,166.89 ; J1.134 178.97,166.23 ; J1.134 178.31,165.56 ; J1.134 177.65,166.23 ; 52.99,184.26 J3.112 ; J3.112 53.65,184.93 ; J3.112 52.33,184.93 ; J3.112 52.99,185.59 ; 179.85,197.67 J1.241 ; J1.241 180.51,198.34 ; J1.241 181.17,197.67 ; J1.241 180.51,197.01 ; J2.151 171.77,279.28 ; J2.151 171.11,278.61 ; J2.151 171.11,279.94 ; J2.151 170.45,279.28 ; 65.53,275.03 J4.156 ; J4.156 66.85,275.03 ; J4.156 66.19,274.36 ; J4.156 66.19,275.69 ; 166.65,240.18 J2.53 ; J2.53 167.97,240.18 ; J2.53 167.31,240.84 ; J2.53 167.31,239.51 ; J3.48 52.99,245.09 ; J3.48 53.65,244.43 ; J3.48 52.33,244.43 ; J3.48 52.99,243.76 ; 176.05,238.48 J1.55 ; J1.55 176.71,239.14 ; J1.55 177.37,238.48 ; J1.55 176.71,237.81 ; 65.53,173.03 J4.270 ; J4.270 66.85,173.03 ; J4.270 66.19,173.69 ; J4.270 66.19,172.36 ; J2.162 173.37,269.93 ; J2.162 172.71,270.59 ; J2.162 172.71,269.26 ; J2.162 172.05,269.93 ; 65.53,191.73 J4.248 ; J4.248 66.85,191.73 ; J4.248 66.19,191.06 ; J4.248 66.19,192.39 ; 180.51,265.01 J1.167 ; J1.167 180.51,266.34 ; J1.167 179.85,265.68 ; J1.167 181.17,265.68 ; J2.42 168.91,250.19 ; J2.42 169.57,249.53 ; J2.42 168.91,248.86 ; J2.42 168.25,249.53 ; J2.31 167.31,259.54 ; J2.31 166.65,258.88 ; J2.31 167.31,258.21 ; J2.31 167.97,258.88 ; J4.103 60.79,193.24 ; J4.103 60.13,192.58 ; J4.103 61.45,192.58 ; J4.103 60.79,191.91 ; J2.6 169.57,280.13 ; J2.6 168.91,279.46 ; J2.6 168.91,280.79 ; J2.6 168.25,280.13 ; 168.91,245.46 J2.46 ; J2.46 168.25,246.12 ; J2.46 169.57,246.12 ; J2.46 168.91,246.79 ; 55.19,248.01 J3.187 ; J3.187 54.53,248.68 ; J3.187 55.19,249.34 ; J3.187 55.85,248.68 ; 178.31,197.86 J1.96 ; J1.96 177.65,198.53 ; J1.96 178.97,198.53 ; J1.96 178.31,199.19 ; 172.71,272.66 J2.158 ; J2.158 172.05,273.33 ; J2.158 172.71,273.99 ; J2.158 173.37,273.33 ; J1.4 178.31,282.49 ; J1.4 177.65,281.83 ; J1.4 178.31,281.16 ; J1.4 178.97,281.83 ; 64.59,266.71 J4.165 ; J4.165 65.25,267.38 ; J4.165 64.59,268.04 ; J4.165 63.93,267.38 ; 66.19,170.66 J4.272 ; J4.272 65.53,171.33 ; J4.272 66.85,171.33 ; J4.272 66.19,171.99 ; 60.13,170.48 J4.129 ; J4.129 60.79,171.14 ; J4.129 60.79,169.81 ; J4.129 61.45,170.48 ; J4.268 66.19,175.39 ; J4.268 65.53,174.73 ; J4.268 66.85,174.73 ; J4.268 66.19,174.06 ; J1.17 177.37,270.78 ; J1.17 176.71,271.44 ; J1.17 176.05,270.78 ; J1.17 176.71,270.11 ; J2.120 169.57,178.13 ; J2.120 168.25,178.13 ; J2.120 168.91,178.79 ; J2.120 168.91,177.46 ; J3.265 55.85,177.27 ; J3.265 55.19,177.94 ; J3.265 54.53,177.27 ; J3.265 55.19,176.61 ; J4.35 61.45,255.47 ; J4.35 60.13,255.47 ; J4.35 60.79,254.81 ; J4.35 60.79,256.14 ; 172.05,169.63 J2.274 ; J2.274 172.71,168.96 ; J2.274 172.71,170.29 ; J2.274 173.37,169.63 ; J4.24 62.39,265.49 ; J4.24 61.73,264.83 ; J4.24 62.39,264.16 ; J4.24 63.05,264.83 ; 176.05,240.18 J1.53 ; J1.53 177.37,240.18 ; J1.53 176.71,239.51 ; J1.53 176.71,240.84 ; J4.112 62.39,185.59 ; J4.112 62.39,184.26 ; J4.112 61.73,184.93 ; J4.112 63.05,184.93 ; 52.99,281.16 J3.4 ; J3.4 52.99,282.49 ; J3.4 52.33,281.83 ; J3.4 53.65,281.83 ; 51.39,173.21 J3.125 ; J3.125 50.73,173.88 ; J3.125 52.05,173.88 ; J3.125 51.39,174.54 ; J1.125 176.71,174.54 ; J1.125 177.37,173.88 ; J1.125 176.71,173.21 ; J1.125 176.05,173.88 ; 167.31,193.61 J2.101 ; J2.101 166.65,194.28 ; J2.101 167.97,194.28 ; J2.101 167.31,194.94 ; 54.53,260.58 J3.173 ; J3.173 55.19,259.91 ; J3.173 55.85,260.58 ; J3.173 55.19,261.24 ; 166.65,277.58 J2.9 ; J2.9 167.31,276.91 ; J2.9 167.97,277.58 ; J2.9 167.31,278.24 ; 56.79,187.66 J3.252 ; J3.252 56.79,188.99 ; J3.252 56.13,188.32 ; J3.252 57.45,188.32 ; 180.51,181.71 J1.259 ; J1.259 180.51,183.04 ; J1.259 179.85,182.38 ; J1.259 181.17,182.38 ; 56.13,193.43 J3.246 ; J3.246 56.79,192.76 ; J3.246 57.45,193.43 ; J3.246 56.79,194.09 ; 179.85,279.28 J1.151 ; J1.151 180.51,279.94 ; J1.151 180.51,278.61 ; J1.151 181.17,279.28 ; J4.42 62.39,250.19 ; J4.42 62.39,248.86 ; J4.42 61.73,249.53 ; J4.42 63.05,249.53 ; 60.79,253.11 J4.37 ; J4.37 60.79,254.44 ; J4.37 60.13,253.78 ; J4.37 61.45,253.78 ; 167.31,251.41 J2.39 ; J2.39 167.97,252.08 ; J2.39 167.31,252.74 ; J2.39 166.65,252.08 ; 170.45,161.98 J2.283 ; J2.283 171.77,161.98 ; J2.283 171.11,161.31 ; J2.283 171.11,162.64 ; J2.276 172.71,168.59 ; J2.276 173.37,167.92 ; J2.276 172.05,167.92 ; J2.276 172.71,167.26 ; 180.51,259.91 J1.173 ; J1.173 180.51,261.24 ; J1.173 181.17,260.58 ; J1.173 179.85,260.58 ; J2.48 169.57,244.43 ; J2.48 168.25,244.43 ; J2.48 168.91,243.76 ; J2.48 168.91,245.09 ; 170.45,267.38 J2.165 ; J2.165 171.77,267.38 ; J2.165 171.11,266.71 ; J2.165 171.11,268.04 ; 65.53,276.73 J4.154 ; J4.154 66.85,276.73 ; J4.154 66.19,277.39 ; J4.154 66.19,276.06 ; J4.44 63.05,247.83 ; J4.44 62.39,248.49 ; J4.44 62.39,247.16 ; J4.44 61.73,247.83 ; J3.162 57.45,269.93 ; J3.162 56.79,270.59 ; J3.162 56.13,269.93 ; J3.162 56.79,269.26 ; J3.46 52.99,246.79 ; J3.46 52.33,246.12 ; J3.46 53.65,246.12 ; J3.46 52.99,245.46 ; 52.33,164.53 J3.136 ; J3.136 53.65,164.53 ; J3.136 52.99,163.86 ; J3.136 52.99,165.19 ; 63.93,161.98 J4.283 ; J4.283 65.25,161.98 ; J4.283 64.59,161.31 ; J4.283 64.59,162.64 ; 179.85,177.27 J1.265 ; J1.265 181.17,177.27 ; J1.265 180.51,176.61 ; J1.265 180.51,177.94 ; 176.71,169.81 J1.129 ; J1.129 176.05,170.48 ; J1.129 177.37,170.48 ; J1.129 176.71,171.14 ; J4.261 64.59,181.34 ; J4.261 65.25,180.68 ; J4.261 63.93,180.68 ; J4.261 64.59,180.01 ; J3.202 57.45,235.93 ; J3.202 56.13,235.93 ; J3.202 56.79,236.59 ; 172.05,276.73 J2.154 ; J2.154 172.71,276.06 ; J2.154 172.71,277.39 ; J2.154 173.37,276.73 ; J3.147 55.19,283.34 ; J3.147 55.85,282.68 ; J3.147 55.19,282.01 ; J3.147 54.53,282.68 ; 54.53,195.98 J3.243 ; J3.243 55.19,195.31 ; J3.243 55.85,195.98 ; J3.243 55.19,196.64 ; 168.91,162.16 J2.138 ; J2.138 168.25,162.83 ; J2.138 169.57,162.83 ; J2.138 168.91,163.49 ; 63.93,178.98 J4.263 ; J4.263 64.59,179.64 ; J4.263 64.59,178.31 ; J4.263 65.25,178.98 ; 182.11,270.96 J1.160 ; J1.160 182.77,271.63 ; J1.160 182.11,272.29 ; J1.160 181.45,271.63 ; 64.59,163.01 J4.281 ; J4.281 65.25,163.68 ; J4.281 63.93,163.68 ; J4.281 64.59,164.34 ; J2.50 168.91,243.39 ; J2.50 169.57,242.73 ; J2.50 168.25,242.73 ; J2.50 168.91,242.06 ; J2.239 171.77,199.38 ; J2.239 171.11,200.04 ; J2.239 170.45,199.38 ; J2.239 171.11,198.71 ; 56.79,185.96 J3.254 ; J3.254 57.45,186.63 ; J3.254 56.79,187.29 ; J3.254 56.13,186.63 ; J4.182 66.19,253.59 ; J4.182 65.53,252.93 ; J4.182 66.85,252.93 ; J4.182 66.19,252.26 ; J4.180 66.85,254.63 ; J4.180 65.53,254.63 ; J4.180 66.19,253.96 ; J4.180 66.19,255.29 ; 176.71,191.91 J1.103 ; J1.103 176.05,192.58 ; J1.103 176.71,193.24 ; J1.103 177.37,192.58 ; J4.127 61.45,172.18 ; J4.127 60.13,172.18 ; J4.127 60.79,171.51 ; J4.127 60.79,172.84 ; 166.65,187.48 J2.109 ; J2.109 167.31,188.14 ; J2.109 167.97,187.48 ; J2.109 167.31,186.81 ; J3.198 56.79,239.99 ; J3.198 56.13,239.33 ; J3.198 57.45,239.33 ; J3.198 56.79,238.66 ; J1.184 182.77,251.23 ; J1.184 181.45,251.23 ; J1.184 182.11,250.56 ; J1.184 182.11,251.89 ; 60.79,236.11 J4.57 ; J4.57 61.45,236.77 ; J4.57 60.79,237.44 ; J4.57 60.13,236.77 ; 66.19,185.96 J4.254 ; J4.254 66.19,187.29 ; J4.254 66.85,186.63 ; J4.254 65.53,186.63 ; 179.85,165.38 J1.279 ; J1.279 180.51,164.71 ; J1.279 180.51,166.04 ; J1.279 181.17,165.38 ; 54.53,199.38 J3.239 ; J3.239 55.19,198.71 ; J3.239 55.19,200.04 ; J3.239 55.85,199.38 ; 182.11,255.66 J1.178 ; J1.178 181.45,256.33 ; J1.178 182.77,256.33 ; J1.178 182.11,256.99 ; 172.71,238.66 J2.198 ; J2.198 172.05,239.33 ; J2.198 172.71,239.99 ; J2.198 173.37,239.33 ; J1.50 178.31,243.39 ; J1.50 178.31,242.06 ; J1.50 178.97,242.73 ; J1.50 177.65,242.73 ; 179.85,245.28 J1.191 ; J1.191 180.51,245.94 ; J1.191 180.51,244.61 ; J1.191 181.17,245.28 ; J4.191 65.25,245.28 ; J4.191 64.59,244.61 ; J4.191 64.59,245.94 ; J4.191 63.93,245.28 ; 63.93,195.98 J4.243 ; J4.243 64.59,196.64 ; J4.243 64.59,195.31 ; J4.243 65.25,195.98 ; J4.189 64.59,247.64 ; J4.189 65.25,246.98 ; J4.189 63.93,246.98 ; J4.189 64.59,246.31 ; 56.13,174.73 J3.268 ; J3.268 57.45,174.73 ; J3.268 56.79,175.39 ; J3.268 56.79,174.06 ; J3.191 55.19,245.94 ; J3.191 54.53,245.28 ; J3.191 55.19,244.61 ; J3.191 55.85,245.28 ; 50.73,274.18 J3.13 ; J3.13 51.39,273.51 ; J3.13 52.05,274.18 ; J3.13 51.39,274.84 ; 168.25,164.53 J2.136 ; J2.136 169.57,164.53 ; J2.136 168.91,165.19 ; J2.136 168.91,163.86 ; J2.156 173.37,275.03 ; J2.156 172.71,275.69 ; J2.156 172.05,275.03 ; J2.156 172.71,274.36 ; 182.11,191.06 J1.248 ; J1.248 181.45,191.73 ; J1.248 182.11,192.39 ; J1.248 182.77,191.73 ; 50.73,168.78 J3.131 ; J3.131 51.39,169.44 ; J3.131 52.05,168.78 ; J3.131 51.39,168.11 ; J3.263 55.19,179.64 ; J3.263 55.85,178.98 ; J3.263 55.19,178.31 ; J3.263 54.53,178.98 ; J2.20 168.91,268.89 ; J2.20 169.57,268.23 ; J2.20 168.91,267.56 ; J2.20 168.25,268.23 ; 176.71,253.11 J1.37 ; J1.37 176.05,253.78 ; J1.37 176.71,254.44 ; J1.37 177.37,253.78 ; 51.39,270.11 J3.17 ; J3.17 52.05,270.78 ; J3.17 51.39,271.44 ; J3.17 50.73,270.78 ; 171.11,163.01 J2.281 ; J2.281 171.11,164.34 ; J2.281 171.77,163.68 ; J2.281 170.45,163.68 ; 56.13,169.63 J3.274 ; J3.274 56.79,168.96 ; J3.274 57.45,169.63 ; J3.274 56.79,170.29 ; J3.193 55.19,244.24 ; J3.193 55.19,242.91 ; J3.193 55.85,243.58 ; J3.193 54.53,243.58 ; J2.182 172.71,253.59 ; J2.182 173.37,252.93 ; J2.182 172.05,252.93 ; J2.182 172.71,252.26 ; 176.71,186.81 J1.109 ; J1.109 176.05,187.48 ; J1.109 176.71,188.14 ; J1.109 177.37,187.48 ; J2.33 167.97,257.18 ; J2.33 166.65,257.18 ; J2.33 167.31,257.84 ; J2.33 167.31,256.51 ; J4.94 62.39,200.89 ; J4.94 61.73,200.23 ; J4.94 62.39,199.56 ; J4.94 63.05,200.23 ; 179.85,184.08 J1.257 ; J1.257 180.51,184.74 ; J1.257 180.51,183.41 ; J1.257 181.17,184.08 ; J4.6 62.39,280.79 ; J4.6 63.05,280.13 ; J4.6 62.39,279.46 ; J4.6 61.73,280.13 ; J1.39 177.37,252.08 ; J1.39 176.05,252.08 ; J1.39 176.71,251.41 ; J1.39 176.71,252.74 ; J4.162 66.19,270.59 ; J4.162 65.53,269.93 ; J4.162 66.19,269.26 ; J4.162 66.85,269.93 ; 62.39,177.46 J4.120 ; J4.120 61.73,178.13 ; J4.120 62.39,178.79 ; J4.120 63.05,178.13 ; 177.65,249.53 J1.42 ; J1.42 178.31,248.86 ; J1.42 178.31,250.19 ; J1.42 178.97,249.53 ; 62.39,182.56 J4.114 ; J4.114 61.73,183.23 ; J4.114 63.05,183.23 ; J4.114 62.39,183.89 ; J3.272 56.79,171.99 ; J3.272 57.45,171.33 ; J3.272 56.79,170.66 ; J3.272 56.13,171.33 ; J3.20 53.65,268.23 ; J3.20 52.33,268.23 ; J3.20 52.99,268.89 ; J3.20 52.99,267.56 ; J2.268 172.71,175.39 ; J2.268 172.71,174.06 ; J2.268 172.05,174.73 ; J2.268 173.37,174.73 ; J1.198 182.11,239.99 ; J1.198 182.77,239.33 ; J1.198 182.11,238.66 ; J1.198 181.45,239.33 ; 172.71,257.36 J2.176 ; J2.176 172.05,258.03 ; J2.176 173.37,258.03 ; J2.176 172.71,258.69 ; J1.250 182.77,190.03 ; J1.250 181.45,190.03 ; J1.250 182.11,189.36 ; J1.250 182.11,190.69 ; J2.189 171.11,247.64 ; J2.189 170.45,246.98 ; J2.189 171.77,246.98 ; J2.189 171.11,246.31 ; J1.158 182.77,273.33 ; J1.158 181.45,273.33 ; J1.158 182.11,273.99 ; J1.158 182.11,272.66 ; 51.39,239.51 J3.53 ; J3.53 52.05,240.18 ; J3.53 51.39,240.84 ; J3.53 50.73,240.18 ; 176.05,172.18 J1.127 ; J1.127 176.71,172.84 ; J1.127 176.71,171.51 ; J1.127 177.37,172.18 ; J1.46 178.31,246.79 ; J1.46 178.97,246.12 ; J1.46 177.65,246.12 ; J1.46 178.31,245.46 ; 178.31,184.26 J1.112 ; J1.112 178.31,185.59 ; J1.112 178.97,184.93 ; J1.112 177.65,184.93 ; J1.193 181.17,243.58 ; J1.193 179.85,243.58 ; J1.193 180.51,242.91 ; J1.193 180.51,244.24 ; 54.53,182.38 J3.259 ; J3.259 55.19,183.04 ; J3.259 55.19,181.71 ; J3.259 55.85,182.38 ; 52.33,166.23 J3.134 ; J3.134 52.99,165.56 ; J3.134 52.99,166.89 ; J3.134 53.65,166.23 ; 171.11,180.01 J2.261 ; J2.261 170.45,180.68 ; J2.261 171.11,181.34 ; J2.261 171.77,180.68 ; J2.173 171.77,260.58 ; J2.173 170.45,260.58 ; J2.173 171.11,259.91 ; J2.173 171.11,261.24 ; J2.13 167.31,274.84 ; J2.13 166.65,274.18 ; J2.13 167.97,274.18 ; J2.13 167.31,273.51 ; J2.149 171.77,280.98 ; J2.149 171.11,281.64 ; J2.149 170.45,280.98 ; J2.149 171.11,280.31 ; 52.33,247.83 J3.44 ; J3.44 52.99,247.16 ; J3.44 53.65,247.83 ; J3.44 52.99,248.49 ; J3.11 51.39,276.54 